# Altium PCB DIOT_temperature_logger.PcbDoc (part 5 of 8) (continued)
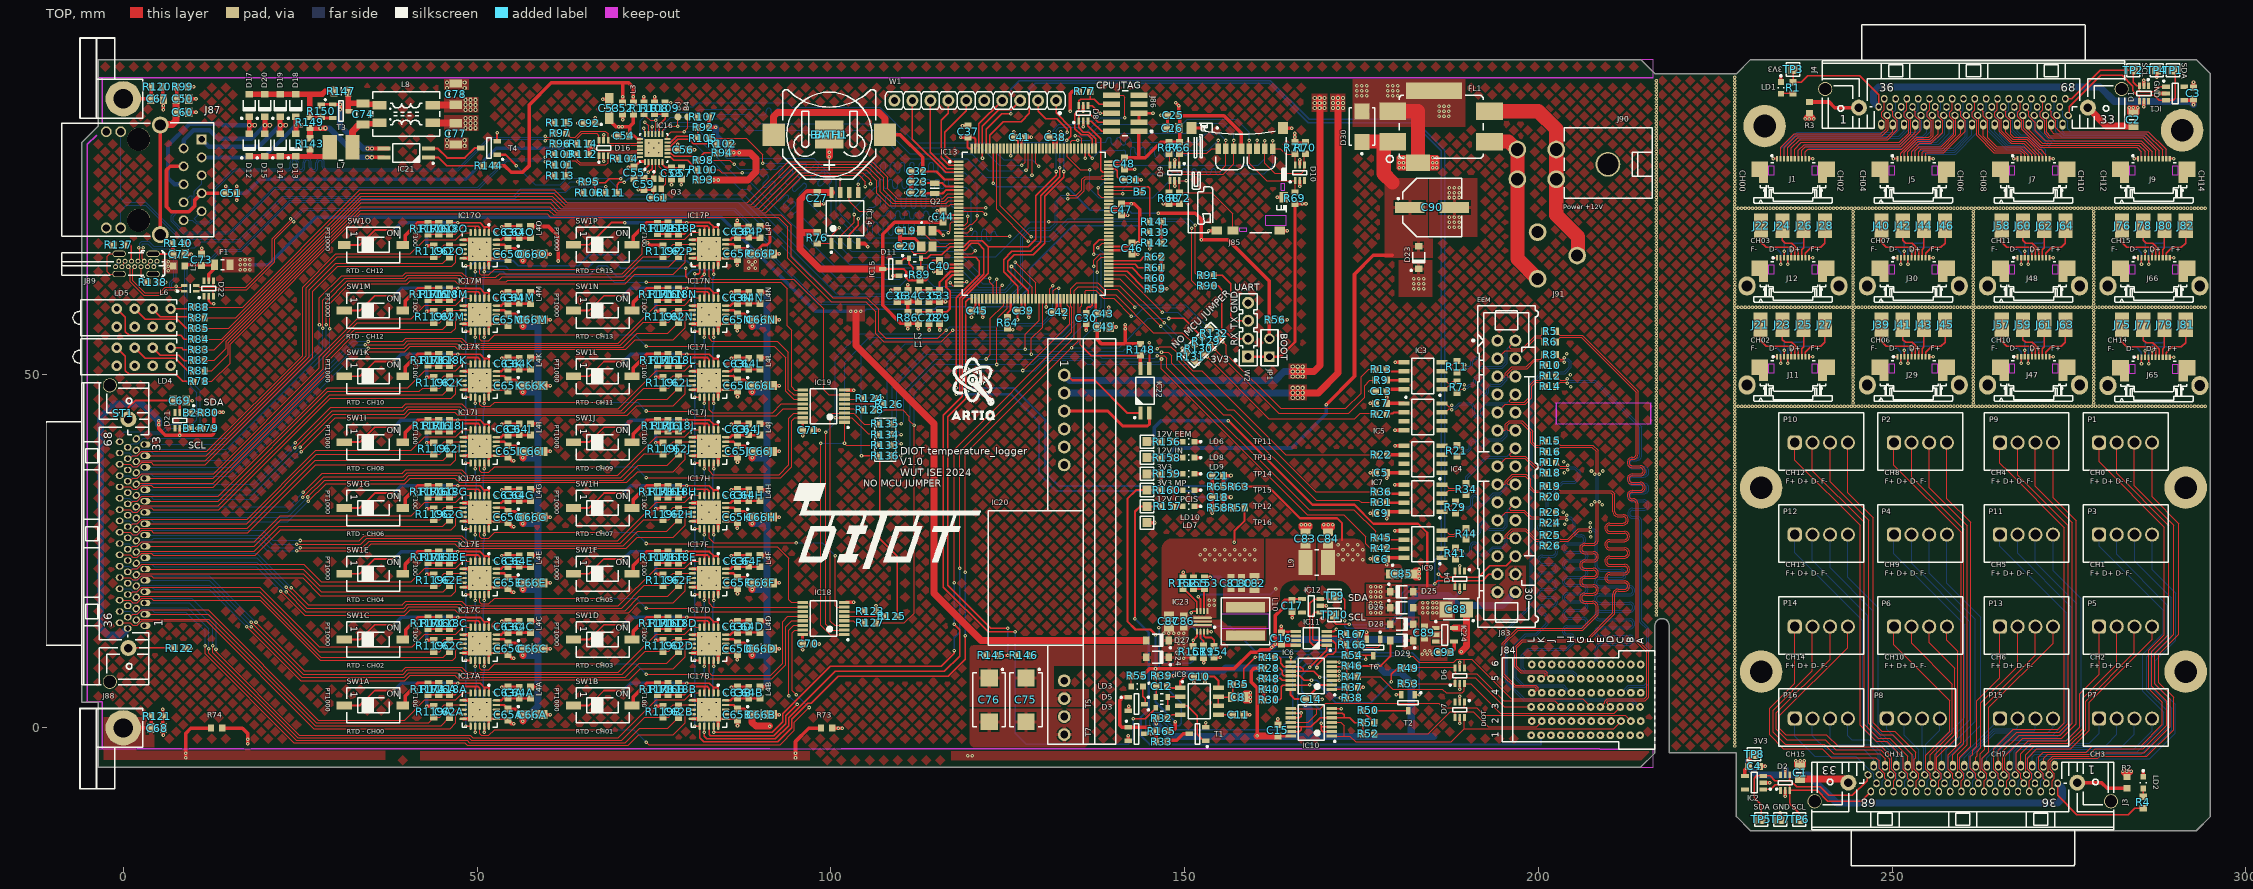
[diagram p0: TOP view]
## Nets (pads, with @x,y where several pads share a name; then routed paths per layer and width w, separated by ;. In a path a pad name is that pad's centre, name@x,y a point inside that pad or via, vN(x,y) a via of type N, cw(c..) or ccw(c..) an arc to the next point about the centre after c; other vN are vias at no path point) (continued)
  other v1: 267.181,66.45 272.78,66.451
GND9: J65.1 J65.10 | length 1.1
  TOP w0.2: v1(284.181,52.375) J65.1@284.73,52.375 ; J65.10@289.23,52.375 v1@289.779,52.375
  other v1: 289.78,52.376
GND10: J66.1 J66.10 | length 1.1
  TOP w0.2: v1@284.181,66.45 J66.1@284.73,66.45 ; J66.10@289.23,66.45 v1@289.779,66.45
  other v1: 284.181,66.45 289.78,66.451
GNDF: FL1.3 J90.1 J90.2 J91.1 | length 29.7
  TOP w2: FL1.3@193.105,87.15 199.98,87.15 202.521,84.609 J90.1@202.521,81.735 202.521,79.725 J90.2@202.521,77.535 202.521,72.459 205.577,69.403 J91.1@205.577,66.635
HWREV0: IC13.77 R59.1 | length 6.8
  TOP w0.2: IC13.77@139.305,64.5 141.855,64.5 144.305,62.05 R59.1@145.08,62.05
HWREV1: IC13.78 R60.1 | length 6.4
  TOP w0.2: IC13.78@139.305,65 142.58,65 144.03,63.55 R60.1@145.08,63.55
HWREV2: IC13.79 R61.1 | length 6
  TOP w0.2: IC13.79@139.305,65.5 143.005,65.5 143.455,65.05 R61.1@145.08,65.05
HWREV3: IC13.80 R62.1 | length 6
  TOP w0.2: IC13.80@139.305,66 139.33,66.025 143.705,66.025 144.23,66.55 R62.1@145.08,66.55
I2C_SCL: D4.4 IC10.9 IC10.10 IC11.2 IC12.1 IC13.139 J83.27 TP10.1 | length 193.8
  TOP w0.2: IC13.139@122.43,81.875 122.43,83.725 124.355,85.65 126.88,85.65 128.055,86.825 v1(128.055,89.575) ; IC10.10@164.98,1.425 166.23,1.425 166.451,1.646 v1@166.451,2.075 ; IC10.9@164.98,2.075 v1@166.451,2.075 ; v1(166.455,2.1) 166.455,2.079 v1@166.451,2.075 ; v1(168.705,8.525) 168.705,8.875 170.23,10.4 170.955,10.4 171.38,10.825 171.38,11.905 170.96,12.325 IC11.2@170.08,12.325 ; IC11.2@170.055,12.35 168.663,12.35 168.658,12.355 168.3,12.355 168.13,12.525 168.13,16 168.43,16.3 IC12.1@169.18,16.3 170.915,16.3 TP10.1@171.222,15.993 ; TP10.1@171.18,15.95 171.18,14.9 171.455,14.625 v1(173.28,14.625) ; v1(185.38,20.375) 185.805,20.8 188.23,20.8 ; D4.4@188.23,19.95 188.23,20.8 ; J83.27@194.21,21.71 193.015,21.71 192.105,20.8 188.23,20.8
  BOT w0.2: v1(128.055,89.575) 128.03,89.6 128.03,90.25 128.855,91.075 161.955,91.075 167.482,85.548 182.307,85.548 186.28,81.575 186.28,24.575 185.38,23.675 v1(185.38,20.375) 185.13,20.125 181.83,20.125 180.689,18.984 180.689,16.584 178.705,14.6 173.305,14.6 v1(173.28,14.625) ; v1(166.455,2.1) 166.005,2.55 166.005,7.9 167.157,9.052 168.178,9.052 v1(168.705,8.525)
I2C_SDA: D4.3 IC10.2 IC10.3 IC11.1 IC12.3 IC13.140 J83.26 TP9.1 | length 203.7
  TOP w0.2: IC13.140@121.93,81.875 121.93,84.575 124.155,86.8 v1(125.455,86.8) ; v1(167.68,8.55) 167.68,8.575 170.08,10.975 IC11.1@170.08,11.675 168.18,11.675 167.705,12.15 167.705,17.6 168.305,18.2 IC12.3@169.18,18.2 170.73,18.2 TP9.1@171.18,18.65 172.055,18.65 172.605,18.1 v1(172.605,15.125) ; v1@169.309,0.646 169.309,0.125 ; IC10.2@170.78,-0.525 169.53,-0.525 169.309,-0.304 169.309,0.125 ; IC10.3@170.78,0.125 169.309,0.125 ; v1(185.88,21.725) 186.305,21.3 188.23,21.3 ; D4.3@188.23,22.15 188.23,21.3 ; J83.26@196.75,24.25 195.425,22.925 193.118,22.925 191.493,21.3 188.23,21.3
  BOT w0.2: v1(125.455,86.8) 125.455,90.275 126.655,91.475 162.105,91.475 167.605,85.975 182.38,85.975 186.73,81.625 186.73,24.3 185.88,23.45 v1(185.88,21.725) 185.88,20.1 185.455,19.675 182.08,19.675 181.105,18.7 181.105,16.3 178.855,14.05 172.93,14.05 172.605,14.375 v1(172.605,15.125) ; v1(167.68,8.55) 166.53,7.4 166.53,5.15 169.305,2.375 v1(169.305,0.65)
JRST: IC13.134
LED0: IC13.10 R88.1 | length 120.1
  TOP w0.152: R88.1@11.48,59.45 16.855,59.45 33.43,76.025 60.905,76.025 62.755,74.175 88.155,74.175 93.98,80 105.83,80 108.03,77.8 108.03,76.175 109.455,74.75 115.805,74.75 116.555,75.5 IC13.10@118.055,75.5
LED1: IC13.11 R87.1 | length 120.4
  TOP w0.152: R87.1@11.48,57.95 15.88,57.95 33.48,75.55 60.83,75.55 62.484,73.896 88.717,73.896 94.471,79.65 105.58,79.65 107.505,77.725 107.505,75.975 109.055,74.425 116.03,74.425 116.605,75 IC13.11@118.055,75
LED2: IC13.12 R85.1 | length 120.6
  TOP w0.152: R85.1@11.48,56.45 14.93,56.45 33.605,75.125 60.646,75.125 62.155,73.616 89.221,73.616 94.855,79.25 105.265,79.25 107.005,77.51 107.005,75.785 108.665,74.125 116.305,74.125 116.68,74.5 IC13.12@118.055,74.5
LED3: IC13.13 R84.1 | length 120.8
  TOP w0.152: R84.1@11.48,54.95 13.905,54.95 33.63,74.675 60.455,74.675 61.793,73.337 89.792,73.337 95.305,78.85 105.005,78.85 106.517,77.338 106.517,75.563 108.28,73.8 116.75,73.8 116.95,74 IC13.13@118.055,74
LED4: IC13.14 R83.1 | length 127.9
  TOP w0.152: R83.1@11.48,53.45 12.88,53.45 33.605,74.175 60.321,74.175 61.438,73.057 90.287,73.057 95.705,78.475 104.53,78.475 105.605,77.4 v1(105.605,76.9) ; IC13.14@118.055,73.5 121.88,73.5 v1(121.905,73.475)
  MID1 w0.152: v1(105.605,76.9) 107.955,74.55 120.275,74.55 121.35,73.475 v1(121.905,73.475)
LED5: IC13.15 R82.1 | length 129.2
  TOP w0.152: R82.1@11.48,51.95 12.83,51.95 14.526,53.646 14.526,54.621 33.58,73.675 60.305,73.675 61.202,72.778 90.833,72.778 96.13,78.075 104.005,78.075 104.88,77.2 v1(104.88,76.5) ; IC13.15@118.055,73 121.43,73 v1(121.855,72.575)
  MID1 w0.152: v1(104.88,76.5) 107.305,74.075 119.955,74.075 121.08,72.95 121.48,72.95 v1(121.855,72.575)
LED6: IC13.59 R81.1 | length 149.4
  TOP w0.152: R81.1@11.48,50.45 12.48,50.45 14.805,52.775 14.805,54.425 33.555,73.175 60.158,73.175 60.835,72.499 92.906,72.499 94.401,71.004 94.401,66.609 100.235,60.775 105.105,60.775 106.755,59.125 106.755,56.05 107.78,55.025 115.118,55.025 v1@116.28,56.188 ; IC13.59@130.93,60.625 130.93,62.025 v1(131.355,62.45)
  BOT w0.152: v1(116.28,56.2) 116.78,56.7 124.68,56.7 125.18,57.2 129.78,57.2 131.355,58.775 v1(131.355,62.45)
LED7: IC13.60 R78.1 | length 151
  TOP w0.152: R78.1@11.48,48.95 12.505,48.95 15.084,51.529 15.084,54.204 33.505,72.625 59.905,72.625 60.355,72.175 92.58,72.175 93.905,70.85 93.905,66.4 100.064,60.241 104.899,60.241 106.355,58.785 106.355,55.7 107.505,54.55 115.605,54.55 117.242,56.188 v1(117.23,56.2) ; IC13.60@131.43,60.625 131.43,61.75 131.83,62.15 v1(132.18,62.15)
  BOT w0.152: v1(117.23,56.2) 124.83,56.2 125.43,56.8 129.88,56.8 132.18,59.1 v1(132.18,62.15)
LEDR: IC16.2 R95.2 R106.2 | length 10.6
  TOP w0.2: R106.2@66.63,75.65 R95.2@66.63,77 ; R95.2@66.63,77.05 68.13,77.05 68.68,77.6 70.305,77.6 v1(70.33,77.575) ; R106.2@66.68,75.65 R106.2@66.705,75.625 ; v1(73.38,78.6) 73.38,78.65 74.23,79.5 IC16.2@74.23,80.05
  BOT w0.2: v1(70.33,77.575) 70.905,78.15 72.93,78.15 v1(73.38,78.6)
LEDY: IC16.3 R111.2 | length 8
  TOP w0.2: R111.2@69.78,75.65 69.78,76.725 70.13,77.075 v1(70.83,77.075) ; v1(74.205,78.5) 74.73,79.025 IC16.3@74.73,80.05
  BOT w0.2: v1(70.83,77.075) 71.405,77.65 73.355,77.65 v1(74.205,78.5)
LVDS0_N: IC3.4 J83.3 R6.2 R11.2 | length 22.9
  TOP w0.127: IC3.4@186.38,51.655 186.817,51.655 187.322,51.15 187.73,51.15 188.43,51.85 R11.2@188.48,51.85 188.53,51.85 189.23,51.15 189.428,51.15 v1(189.605,51.327) ; J83.3@194.21,52.19 195.345,53.325 197.84,53.325 199.661,55.146 200.334,55.146 200.816,54.664 200.816,54.614 R6.2@200.88,54.55
  BOT w0.127: v1(189.605,51.327) 189.823,51.109 189.944,51.109 190.147,51.109 ccw(c190.147,51.427) 190.465,51.427 190.465,51.807 cw(c191.062,51.807) 191.659,51.807 191.659,51.427 ccw(c191.976,51.427) 191.976,51.109 194.21,51.109 194.794,51.109 195.326,51.641 195.326,52.896 195.211,53.01 195.03,53.01 J83.3@194.21,52.19
LVDS0_P: IC3.3 J83.2 R5.2 R11.1 | length 23.3
  TOP w0.127: IC3.3@186.38,50.385 186.855,50.385 187.35,50.88 187.8,50.88 188.43,50.25 R11.1@188.48,50.25 ; R11.1@188.53,50.25 189.151,50.871 189.605,50.871 v1(189.605,50.7) ; J83.2@196.75,54.73 195.93,53.91 195.93,53.729 196.055,53.604 197.724,53.604 199.545,55.425 200.33,55.425 200.816,55.912 200.816,55.986 R5.2@200.88,56.05
  BOT w0.127: v1(189.605,50.7) 189.735,50.83 189.944,50.83 190.147,50.83 ccw(c190.147,51.427) 190.744,51.427 190.744,51.807 cw(c191.062,51.807) 191.379,51.807 191.379,51.427 ccw(c191.976,51.427) 191.976,50.83 194.21,50.83 194.91,50.83 195.605,51.525 195.605,53.585 J83.2@196.75,54.73
LVDS1_N: IC3.1 J83.6 R7.1 R10.2 | length 23.3
  TOP w0.127: IC3.1@186.38,47.845 186.855,47.845 187.35,48.34 187.49,48.34 R7.1@188.48,47.35 188.967,47.837 v1(189.505,47.837) ; J83.6@196.285,49.65 195.694,49.65 195.62,49.725 195.62,49.992 196.374,50.746 198.396,50.746 199.496,51.846 200.284,51.846 R10.2@200.88,51.25
  BOT w0.127: v1(189.505,47.837) 189.679,48.01 190.04,48.01 190.33,48.3 190.533,48.3 ccw(c190.533,48.897) 191.13,48.897 191.13,49.176 cw(c191.448,49.176) 191.448,49.493 cw(c191.448,49.176) 191.765,49.176 191.765,47.554 ccw(c192.362,47.554) 192.362,46.957 ccw(c192.362,47.554) 192.959,47.554 192.959,47.983 cw(c193.276,47.983) 193.276,48.3 194.42,48.3 194.726,48.3 195.62,49.193 195.62,49.576 195.694,49.65 J83.6@196.75,49.65
LVDS1_P: IC3.2 J83.5 R7.2 R8.2 | length 23.1
  TOP w0.127: IC3.2@186.38,49.115 186.855,49.115 187.35,48.62 187.586,48.62 187.916,48.95 R7.2@188.48,48.95 188.967,48.463 v1(189.505,48.463) ; J83.5@194.676,49.65 195.266,49.65 195.34,49.725 195.34,50.107 196.258,51.025 198.28,51.025 199.38,52.125 200.305,52.125 200.88,52.7 R8.2@200.88,52.75
  BOT w0.127: v1(189.505,48.463) 189.679,48.29 189.925,48.29 190.214,48.579 190.33,48.579 190.533,48.579 ccw(c190.533,48.897) 190.851,48.897 190.851,49.176 cw(c191.448,49.176) 191.448,49.773 cw(c191.448,49.176) 192.045,49.176 192.045,47.554 ccw(c192.362,47.554) 192.362,47.237 ccw(c192.362,47.554) 192.68,47.554 192.68,47.983 cw(c193.276,47.983) 193.276,48.579 194.42,48.579 194.611,48.579 195.34,49.309 195.34,49.576 195.266,49.65 J83.5@194.21,49.65
LVDS2_N: IC5.7 J83.9 R14.2 | length 23.3
  TOP w0.127: IC5.7@186.38,44.585 186.855,44.585 187.366,45.096 187.612,45.096 187.627,45.111 187.73,45.111 v1(187.73,44.95) ; J83.9@194.21,44.57 195.34,45.7 198.105,45.7 198.967,46.563 199.049,46.644 199.049,48.294 199.605,48.85 200.33,48.85 200.88,48.3 R14.2@200.88,48.25
  BOT w0.127: v1(187.73,44.95) 187.869,45.089 188.339,45.089 188.898,45.648 188.946,45.696 190.269,45.696 cw(c190.269,45.251) 190.714,45.251 190.714,44.5 ccw(c191.438,44.5) 191.438,43.776 ccw(c191.438,44.5) 192.162,44.5 192.162,45.251 cw(c192.606,45.251) 192.606,45.696 194.818,45.696 194.905,45.696 ; J83.9@194.21,44.57 195.03,45.39 195.03,45.571 194.905,45.696
LVDS2_P: IC5.8 J83.8 R12.2 | length 23.3
  TOP w0.127: IC5.8@186.38,45.855 186.855,45.855 187.335,45.375 187.496,45.375 187.537,45.416 187.569,45.416 v1(187.73,45.577) ; J83.8@196.75,47.11 195.93,46.29 195.93,46.109 196.06,45.979 197.989,45.979 198.77,46.76 198.77,48.41 199.489,49.129 200.309,49.129 200.88,49.7 R12.2@200.88,49.75
  BOT w0.127: v1(187.73,45.577) 187.73,45.416 187.923,45.416 187.971,45.368 188.223,45.368 188.83,45.975 188.898,45.975 190.269,45.975 cw(c190.269,45.251) 190.993,45.251 190.993,44.5 ccw(c191.438,44.5) 191.438,44.055 ccw(c191.438,44.5) 191.882,44.5 191.882,45.251 cw(c192.606,45.251) 192.606,45.975 194.789,45.975 194.818,45.975 195.615,45.975 J83.8@196.75,47.11
LVDS3_N: IC4.3 J83.12 R16.2 R21.1 | length 24.3
  TOP w0.127: IC4.3@186.38,38.585 186.855,38.585 187.28,39.01 187.82,39.01 R21.1@188.48,38.35 188.53,38.35 189.18,39 189.28,38.9 v1(189.28,38.848) ; J83.12@196.75,42.03 195.694,42.03 195.62,42.105 195.62,42.759 195.981,43.121 197.564,43.121 198.923,41.762 198.923,40.267 199.53,39.66 200.27,39.66 R16.2@200.88,39.05
  BOT w0.127: v1(189.28,38.848) 189.28,39.009 189.473,39.009 189.488,39.024 189.685,39.024 189.888,39.024 ccw(c189.888,39.621) 190.485,39.621 190.485,40.158 cw(c190.803,40.158) 191.12,40.158 191.12,40.024 ccw(c191.717,40.024) 192.139,39.602 193.101,40.564 193.328,40.564 194.894,40.564 195.62,41.29 195.62,41.956 195.694,42.03 J83.12@196.75,42.03
LVDS3_P: IC4.4 J83.11 R15.2 R21.2 | length 24.2
  TOP w0.127: IC4.4@186.38,39.855 186.855,39.855 187.42,39.29 187.82,39.29 R21.2@188.48,39.95 188.53,39.95 188.917,39.563 188.917,39.561 189.128,39.35 189.155,39.35 v1(189.28,39.475) ; J83.11@194.21,42.03 195.266,42.03 195.34,42.105 195.34,42.875 195.865,43.4 197.68,43.4 199.12,41.96 199.202,41.878 199.202,40.383 199.645,39.94 200.27,39.94 R15.2@200.88,40.55
  BOT w0.127: v1(189.28,39.475) 189.452,39.303 189.685,39.303 189.801,39.303 189.888,39.303 ccw(c189.888,39.621) 190.206,39.621 190.206,40.158 cw(c190.803,40.158) 191.4,40.158 191.4,40.024 ccw(c191.717,40.024) 191.942,39.8 192.985,40.843 193.328,40.843 194.778,40.843 195.34,41.406 195.34,41.956 195.266,42.03 J83.11@194.21,42.03
LVDS4_N: IC7.4 J83.15 R18.2 R34.2 | length 22.6
  TOP w0.127: IC7.4@186.38,34.355 186.855,34.355 187.091,34.119 187.35,33.86 189.09,33.86 R34.2@189.78,34.55 190.28,34.05 v1(190.68,34.05) ; J83.15@194.21,36.95 195.38,38.121 198.044,38.121 199.544,36.621 200.359,36.621 200.88,36.1 R18.2@200.88,36.05
  BOT w0.127: v1(190.68,34.05) 190.506,33.876 190.354,33.876 190.03,34.2 190.03,35.375 192.726,38.071 194.905,38.071 ; J83.15@194.21,36.95 195.03,37.77 195.03,37.951 194.908,38.073
LVDS4_P: IC7.3 J83.14 R17.2 R34.1 | length 23.4
  TOP w0.127: IC7.3@186.38,33.085 186.855,33.085 187.35,33.58 189.034,33.58 189.665,32.95 R34.1@189.78,32.95 190.253,33.423 v1(190.68,33.423) ; J83.14@196.75,39.49 195.93,38.67 195.93,38.489 196.019,38.4 198.16,38.4 199.66,36.9 200.37,36.9 R17.2@200.88,37.41
  BOT w0.127: v1(190.68,33.423) 190.506,33.597 190.238,33.597 189.751,34.084 189.751,35.491 192.61,38.35 195.61,38.35 J83.14@196.75,39.49
LVDS5_N: IC7.1 J83.18 R20.2 R29.1 | length 23.8
  TOP w0.127: IC7.1@186.38,30.545 186.855,30.545 187.32,31.01 187.62,31.01 R29.1@188.28,30.35 ; R29.1@188.33,30.35 188.99,31.01 189.086,31.01 189.137,30.959 189.169,30.959 v1(189.33,30.798) ; J83.18@196.75,34.41 195.694,34.41 195.62,34.485 195.62,34.752 196.412,35.544 198.139,35.544 198.635,35.048 198.635,33.95 198.7,33.885 199.325,33.26 200.27,33.26 R20.2@200.88,32.65
  BOT w0.127: v1(189.33,30.798) 189.507,30.975 189.902,30.975 190.105,30.975 ccw(c190.105,31.572) 190.702,31.572 190.702,32.386 cw(c191.02,32.386) 191.337,32.386 191.337,31.998 ccw(c191.934,31.998) 192.356,31.576 193.613,32.833 193.734,32.954 194.62,32.954 195.62,33.953 195.62,34.336 195.694,34.41 J83.18@196.75,34.41
LVDS5_P: IC7.2 J83.17 R19.2 R29.2 | length 23.9
  TOP w0.127: IC7.2@186.38,31.815 186.855,31.815 187.38,31.29 187.62,31.29 R29.2@188.28,31.95 ; R29.2@188.33,31.95 188.99,31.29 189.202,31.29 189.227,31.264 189.33,31.264 v1(189.33,31.425) ; J83.17@194.21,34.41 195.266,34.41 195.34,34.485 195.34,34.867 196.297,35.823 198.255,35.823 198.914,35.164 198.914,34.066 199.44,33.54 200.27,33.54 R19.2@200.88,34.15
  BOT w0.127: v1(189.33,31.425) 189.501,31.254 189.902,31.254 190.105,31.254 ccw(c190.105,31.572) 190.423,31.572 190.423,32.386 cw(c191.02,32.386) 191.617,32.386 191.617,31.998 ccw(c191.934,31.998) 192.159,31.774 193.613,33.228 193.618,33.233 194.505,33.233 195.34,34.069 195.34,34.336 195.266,34.41 J83.17@194.21,34.41
LVDS6_N: IC9.4 J83.21 R24.2 R44.2 | length 22.8
  TOP w0.127: IC9.4@186.38,27.855 186.867,27.855 187.372,27.35 188.085,27.35 188.325,27.59 189.12,27.59 R44.2@189.78,28.25 190.44,27.59 190.613,27.59 v2(190.81,27.787) ; J83.21@194.21,29.33 195.37,30.491 197.911,30.491 198.841,29.56 200.27,29.56 R24.2@200.88,28.95
  BOT w0.127: v2(190.81,27.787) 190.81,27.67 190.851,27.629 190.883,27.629 190.912,27.6 191.103,27.6 191.306,27.6 ccw(c191.306,27.918) 191.623,27.918 191.623,28.616 cw(c192.22,28.616) 192.817,28.616 192.817,28.532 ccw(c193.135,28.532) 193.135,28.214 194.949,28.214 194.996,28.261 194.996,28.263 195.329,28.596 195.329,29.991 ; J83.21@194.21,29.33 195.03,30.15 195.211,30.15 195.333,30.028 ; 195.33,29.991 195.33,30.025
LVDS6_P: IC9.3 J83.20 R23.2 R44.1 | length 23.5
  TOP w0.127: IC9.3@186.38,26.585 186.815,26.585 187.301,27.071 188.201,27.071 188.44,27.31 189.12,27.31 R44.1@189.78,26.65 190.44,27.31 190.66,27.31 v2(190.81,27.16) v2@190.81,27.321 ; J83.20@196.75,31.87 195.93,31.05 195.93,30.869 196.029,30.77 198.026,30.77 198.957,29.84 200.27,29.84 R23.2@200.88,30.45
  BOT w0.127: v2(190.81,27.16) 190.69,27.28 190.69,27.324 190.793,27.324 190.796,27.321 191.103,27.321 191.306,27.321 ccw(c191.306,27.918) 191.903,27.918 191.903,28.616 cw(c192.22,28.616) 192.538,28.616 192.538,28.532 ccw(c193.135,28.532) 193.135,27.935 195.065,27.935 195.193,28.063 195.195,28.063 195.341,28.209 ; 195.34,28.21 195.609,28.479 195.609,29.91 195.612,29.913 195.612,30.144 195.609,30.147 195.609,30.73 J83.20@196.75,31.87
LVDS7_N: IC9.1 J83.24 R26.2 R41.1 | length 22.9
  TOP w0.127: IC9.1@186.38,24.045 186.855,24.045 187.331,24.521 187.559,24.521 188.23,23.85 R41.1@188.28,23.85 ; R41.1@188.33,23.85 R41.1@188.28,23.85 ; v1(189.23,24.325) 188.755,24.325 R41.1@188.28,23.85 ; J83.24@196.75,26.79 195.694,26.79 195.62,26.865 195.62,27.132 196.348,27.86 198.105,27.86 199.605,26.36 200.27,26.36 R26.2@200.88,25.75
  BOT w0.127: v1(189.23,24.325) 189.79,24.325 189.993,24.325 ccw(c189.993,24.922) 190.59,24.922 190.59,25.653 cw(c190.907,25.653) 191.225,25.653 191.225,24.922 ccw(c191.822,24.922) 191.822,24.325 192.625,24.325 193.576,25.276 193.646,25.346 194.976,25.346 195.62,25.99 195.62,26.716 195.694,26.79 J83.24@196.75,26.79
LVDS7_P: IC9.2 J83.23 R25.2 R41.2 | length 23.2
  TOP w0.127: IC9.2@186.38,25.315 186.855,25.315 187.091,25.078 187.37,24.8 187.58,24.8 188.23,25.45 R41.2@188.28,25.45 ; R41.2@188.33,25.45 R41.2@188.28,25.45 ; v1(189.23,24.952) 188.778,24.952 R41.2@188.28,25.45 ; J83.23@194.21,26.79 195.266,26.79 195.34,26.865 195.34,27.247 196.233,28.14 198.22,28.14 199.72,26.64 200.27,26.64 R25.2@200.88,27.25
  BOT w0.127: v1(189.23,24.952) 189.23,24.791 189.423,24.791 189.609,24.604 189.79,24.604 189.993,24.604 ccw(c189.993,24.922) 190.311,24.922 190.311,25.653 cw(c190.907,25.653) 191.504,25.653 191.504,24.922 ccw(c191.822,24.922) 191.822,24.604 192.509,24.604 193.53,25.625 193.576,25.625 194.86,25.625 195.34,26.106 195.34,26.716 195.266,26.79 J83.23@194.21,26.79
MAX_CH_A0: IC13.81 IC18.1 IC19.1 R133.1 | length 99.4
  TOP w0.152: v2(98.58,40.225) 98.58,14.5 98.805,14.275 99.905,13.175 IC18.1@101.905,13.175 ; IC19.1@101.93,43.175 v1(101.93,40.225) 102.205,39.95 R133.1@106.88,39.95 ; v1(137.655,64.4) 137.655,65.95 138.205,66.5 IC13.81@139.305,66.5
  BOT w0.152: v2(98.58,40.225) v1(101.93,40.225) 101.93,51.7 105.455,55.225 132.805,55.225 137.655,60.075 v1(137.655,64.4)
MAX_CH_A1: IC13.82 IC18.2 IC19.2 R134.1 | length 96.5
  TOP w0.152: v2(99.305,41.775) 99.305,14.65 100.13,13.825 IC18.2@101.905,13.825 ; v1(100.63,43.825) IC19.2@101.93,43.825 102.98,43.825 105.255,41.55 R134.1@106.88,41.55 ; v1(137.155,65.225) 137.155,66.075 138.08,67 IC13.82@139.305,67
  BOT w0.152: v2(99.305,41.775) 100.63,43.1 v1(100.63,43.825) 100.63,52.3 104.055,55.725 132.575,55.725 137.155,60.305 v1(137.155,65.225)
MAX_CH_A2: IC13.85 IC18.3 IC19.3 R135.1 | length 94.1
  TOP w0.152: IC18.3@101.905,14.475 100.53,14.475 99.93,15.075 99.93,44.175 100.23,44.475 IC19.3@101.93,44.475 101.955,44.45 103.23,44.45 104.755,42.925 v1(105.855,42.925) 105.88,42.95 R135.1@106.88,42.95 ; v1(137.705,67.875) 137.742,67.875 138.367,68.5 IC13.85@139.305,68.5
  BOT w0.152: v1(105.855,42.925) 105.855,43.1 107.98,45.225 107.98,51.75 110.48,54.25 134.805,54.25 138.68,58.125 138.68,66.9 v1(137.705,67.875)
MAX_CH_A3: IC13.86 R124.1 R125.1 R136.1 | length 93.4
  TOP w0.2: v1(104.33,38.45) R136.1@106.78,38.45 ; R124.1@106.28,46.55 106.405,46.675 v1(107.255,46.675) ; R136.1@106.88,38.45 106.88,26.725 109.38,24.225 R125.1@109.38,15.75 R125.1@109.48,15.85 ; v1(137.155,66.925) 137.155,68.2 137.955,69 IC13.86@139.305,69
  BOT w0.152: v1(104.33,38.45) 104.33,46.7 ; v1(107.255,46.675) 104.355,46.675 104.33,46.7 ; v1(137.155,66.925) 137.905,66.925 138.23,66.6 138.23,59.425 133.505,54.7 107.28,54.7 106.305,54.7 104.33,52.725 104.33,47.075 104.33,46.7
MAX_CS00: IC17A.13 IC18.15 | length 65
  TOP w0.171: IC17A.13@50.38,0.25 50.38,-0.85 50.605,-1.075 51.655,-1.075 52.48,-0.25 v1(67.555,-0.25) ; v1(73.93,-2.025) 74.28,-2.375 92.825,-2.375 94.855,-0.345 94.855,0.8 v1(96.93,2.875) ; v1(95.105,4.675) 94.53,5.25 94.53,13.45 94.905,13.825 IC18.15@96.005,13.825
  BOT w0.171: v1(67.555,-0.25) 72.155,-0.25 v1(73.93,-2.025) ; v1(95.105,4.675) 96.905,2.875 v1(96.93,2.875)
MAX_CS01: IC17B.13 IC18.14 | length 29.3
  TOP w0.171: v1(94.08,4.525) 94.08,13.825 94.73,14.475 IC18.14@96.005,14.475
  TOP w0.2: IC17B.13@82.78,0.225 82.78,-0.925 82.955,-1.1 91.94,-1.1 93.605,0.565 93.605,1.675 v1(95.23,3.3)
  BOT w0.171: v1(94.08,4.525) 95.23,3.375 v1(95.23,3.3)
MAX_CS02: IC17C.13 IC18.13 | length 54.5
  TOP w0.171: IC17C.13@50.38,9.55 50.38,8.45 50.605,8.225 51.655,8.225 52.48,9.05 v1(67.605,9.05) ; v1(73.93,7.575) 81.805,7.575 82.43,6.95 91.63,6.95 93.63,8.95 93.63,14.275 94.48,15.125 IC18.13@96.005,15.125
  BOT w0.171: v1(67.605,9.05) 72.455,9.05 v1(73.93,7.575)
MAX_CS03: IC17D.13 IC18.12 | length 22.1
  TOP w0.171: IC17D.13@82.78,9.525 82.78,7.8 83.18,7.4 91.48,7.4 93.18,9.1 93.18,15.025 93.93,15.775 IC18.12@96.005,15.775
MAX_CS04: IC17E.13 IC18.11 | length 47.9
  TOP w0.171: IC17E.13@50.38,18.825 50.38,17.725 50.58,17.525 51.68,17.525 52.48,18.325 v1(67.58,18.325) ; v1(73.93,16.875) 80.38,16.875 80.83,16.425 IC18.11@96.005,16.425
  BOT w0.171: v1(67.58,18.325) 72.48,18.325 v1(73.93,16.875)
MAX_CS05: IC17F.13 IC18.10 | length 14.7
  TOP w0.171: IC17F.13@82.78,18.825 82.78,17.625 83.33,17.075 IC18.10@96.005,17.075
MAX_CS06: IC17G.13 IC18.9 | length 54.7
  TOP w0.171: IC17G.13@50.38,28.125 50.38,27.025 50.58,26.825 51.68,26.825 52.53,27.675 v1(67.455,27.675) ; v1(73.93,26.05) 81.98,26.05 82.455,25.575 92.405,25.575 94.03,23.95 94.03,18.125 94.43,17.725 IC18.9@96.005,17.725
  BOT w0.171: v1(67.455,27.675) 72.321,27.675 v1@73.93,26.066
MAX_CS07: IC17H.13 IC18.7 | length 28.6
  TOP w0.171: IC17H.13@82.78,28.125 82.78,26.775 83.43,26.125 v2@95.105,26.125 ; v2(100.63,24.3) 100.63,17.275 100.83,17.075 IC18.7@101.905,17.075
  BOT w0.171: v2(95.13,26.125) 98.805,26.125 v2(100.63,24.3)
MAX_CS08: IC17I.13 IC19.15 | length 55.1
  TOP w0.171: IC17I.13@50.38,37.425 50.38,36.325 50.58,36.125 51.68,36.125 52.48,36.925 67.48,36.925 v1(67.48,36.9) ; v1(73.93,35.375) 92.93,35.375 94.48,36.925 94.48,43.425 94.88,43.825 IC19.15@96.03,43.825
  BOT w0.171: v1(67.48,36.9) 72.407,36.9 v1@73.932,35.375
MAX_CS09: IC17J.13 IC19.14 | length 22
  TOP w0.171: IC17J.13@82.78,37.425 82.78,36.35 83.33,35.8 92.705,35.8 94.055,37.15 94.055,43.775 94.755,44.475 IC19.14@96.03,44.475
MAX_CS10: IC17K.13 IC19.13 | length 48.1
  TOP w0.171: 50.38,45.7 50.38,45.685 ; IC17K.13@50.38,46.525 50.38,45.685 ; v1(67.555,46.025) 52.48,46.025 51.88,45.425 50.64,45.425 50.38,45.685 ; v1(73.93,44.775) 80.255,44.775 80.955,44.075 92.255,44.075 93.305,45.125 IC19.13@96.03,45.125
  BOT w0.171: v1(67.555,46.025) 72.68,46.025 v1(73.93,44.775)
MAX_CS11: IC17L.13 IC19.12 | length 15.7
  TOP w0.171: IC17L.13@82.78,46.725 82.78,44.975 83.205,44.55 91.755,44.55 92.98,45.775 IC19.12@96.03,45.775
MAX_CS12: IC17M.13 IC19.11 | length 53.7
  TOP w0.171: IC17M.13@50.38,56.025 50.38,54.925 50.58,54.725 51.68,54.725 52.48,55.525 v1(67.53,55.525) ; v1(73.93,53.9) 89.705,53.9 91.98,53.9 93.605,52.275 93.605,47.575 94.755,46.425 IC19.11@96.03,46.425
  BOT w0.171: v1(67.53,55.525) 72.305,55.525 v1(73.93,53.9)
MAX_CS13: IC17N.13 IC19.10 | length 20.6
  TOP w0.171: IC17N.13@82.78,56.025 82.78,55.05 83.18,54.65 92.43,54.65 94.005,53.075 94.005,47.8 94.73,47.075 IC19.10@96.03,47.075
MAX_CS14: IC17O.13 IC19.9 | length 62
  TOP w0.171: IC17O.13@50.38,65.3 50.38,64.2 50.58,64 51.68,64 52.48,64.8 v1(67.605,64.8) ; v1(73.93,63) 92.93,63 93.855,62.075 93.855,56.8 94.455,56.2 94.455,48.2 94.93,47.725 IC19.9@96.03,47.725
  BOT w0.171: v1(67.605,64.8) 69.405,63 v1(73.93,63)
MAX_CS15: IC17P.13 IC19.7 | length 34.3
  TOP w0.171: IC17P.13@82.78,65.325 82.78,63.775 83.13,63.425 94.78,63.425 99.005,59.2 99.005,47.775 99.705,47.075 IC19.7@101.93,47.075
NetC1_2: C1.2 J3.70 | length 7
  TOP w1: C1.2@236.98,-7.25 243.305,-7.25 J3.70@243.805,-7.75
NetC2_2: C2.2 J4.70 | length 7.5
  TOP w1: J4.70@277.655,87.65 280.255,85.05 C2.2@284.08,85.05
NetC8_2: C8.2 IC8.6 IC8.7 R35.2 | length 4.9
  TOP w0.2: IC8.6@154.78,3.115 IC8.7@154.78,4.385 154.815,4.35 C8.2@156.68,4.35 156.78,4.35 R35.2@156.78,6
NetC11_2: C11.2 IC8.5 | length 2
  TOP w0.2: IC8.5@154.78,1.845 156.775,1.845 C11.2@156.78,1.85
NetC12_2: C12.2 D5.1 R39.2 | length 2.7
  TOP w0.2: D5.1@145.93,4.35 145.98,4.4 C12.2@145.98,5.85 R39.2@145.98,7.05
NetC20_1: C20.1 IC13.24 Q1.3 | length 8.1
  TOP w0.171: C20.1@111.38,68.05 111.38,67.4 111.73,67.05 113.38,67.05 Q1.3@114.38,68.05 116.33,68.05 116.78,68.5 IC13.24@118.055,68.5
NetC30_2: C30.2 IC13.71 | length 2.5
  TOP w0.254: C30.2@136.18,58.6 136.18,59.326 136.329,59.475 136.68,59.475 136.93,59.725 IC13.71@136.93,60.625
NetC31_2: C31.2 IC13.106 | length 3.4
  TOP w0.2: IC13.106@139.305,79 140.18,79 140.455,78.725 140.455,77.9 140.905,77.45 C31.2@141.53,77.45
NetC34_2: C34.2 C36.2 L2.2 R86.1 | length 4.5
  TOP w0.5: C36.2@109.38,60.25 C34.2@110.88,60.25 ; R86.1@110.88,58.75 C34.2@110.88,60.25 ; L2.2@112.38,60.25 C34.2@110.88,60.25
NetC50_1: C50.1 C60.1 J87.S1 J87.S2 R99.2 | length 22.9
  TOP w0.5: J87.S2@5.23,69.605 J87.S1@5.23,85.295 ; C50.1@7.48,88.9 7.58,89 R99.2@7.58,90.6
  TOP w1: J87.S1@5.23,85.295 6.938,85.295 7.48,85.837 C60.1@7.48,87.15 ; C60.1@7.48,87.2 C50.1@7.48,88.9
NetC59_2: C59.2 IC16.4 Q3.1 | length 4.5
  TOP w0.152: C59.2@73.18,77.25 C59.2@73.58,77.65 ; C59.2@73.58,77.6 73.63,77.65 74.93,77.65 74.93,78.2 75.23,78.5 IC16.4@75.23,80.05
NetC61_2: C61.2 IC16.5 Q3.3 | length 5.9
  TOP w0.152: IC16.5@75.73,80.05 75.73,79.325 76.68,78.375 76.68,76.9 76.03,76.25 76.28,76 C61.2@76.28,74.95
NetC67_1: C67.1 R120.2 ST1.1 | length 5.7
  TOP w0.5: ST1.1@0,88.9 C67.1@3.88,88.9 3.98,88.9 R120.2@3.98,90.6 ; ST1.1@0.036,88.862 ST1.1@0.037,88.863